# KiCad board BACKUP_PCB.kicad_pcb (continued)
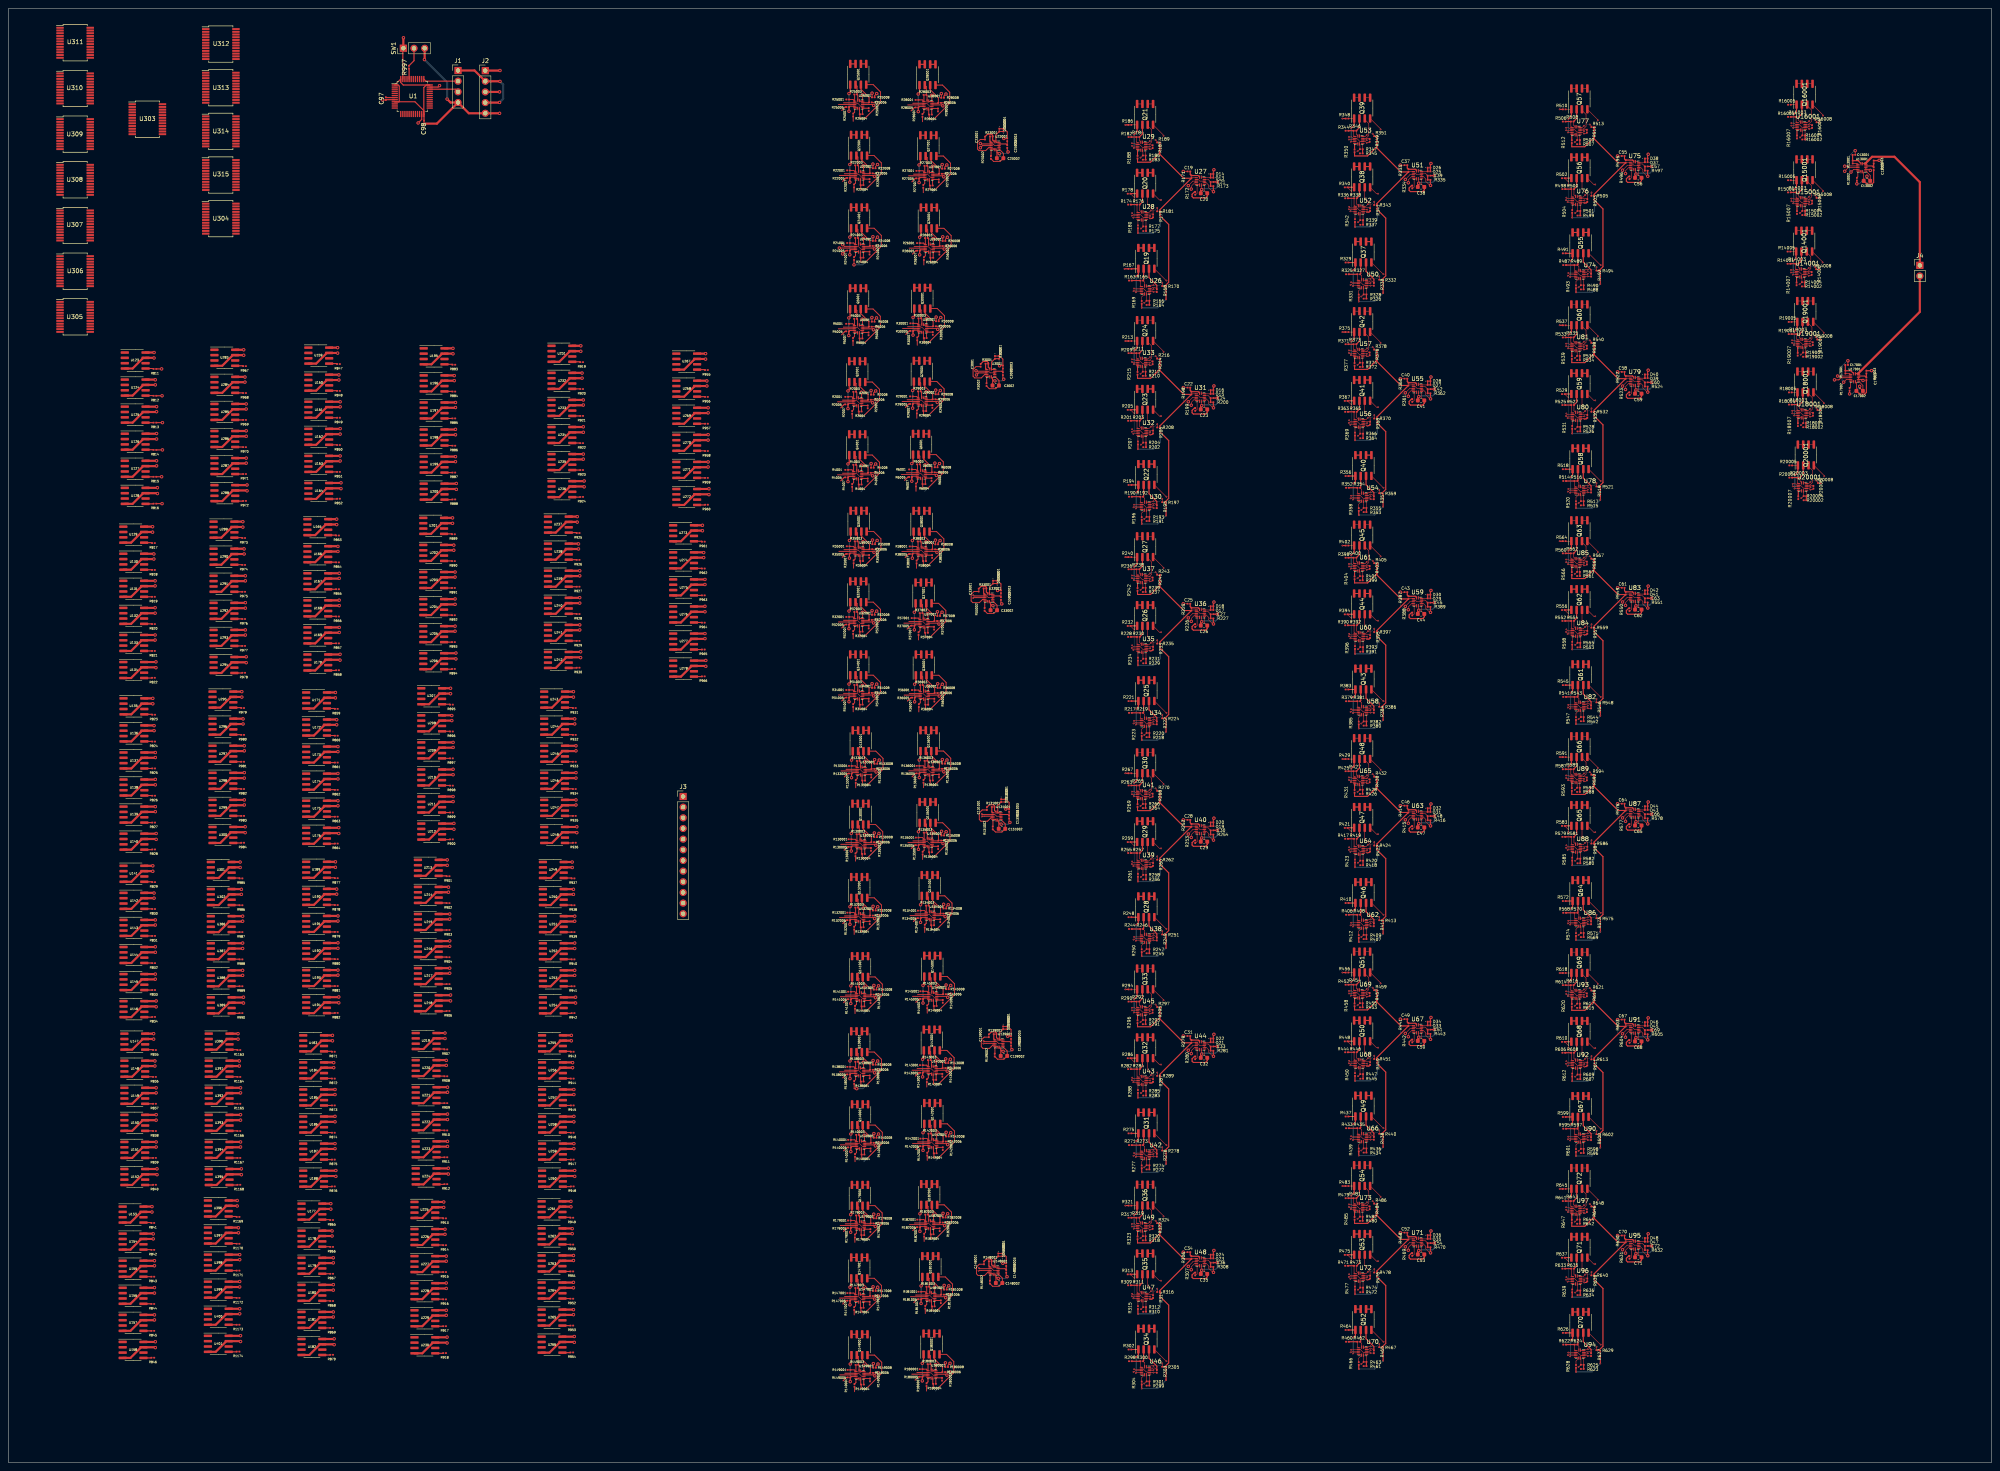
[diagram p0: board, top side]
## Routing (per net, layer and track width the routed paths; a pad name or vN(x,y) marks a point on that pad's centre or on a via; arc(x,y) is an arc through that point) (continued)
  Top w0.25: Q26001.6 Q26001.5
/W1210: length 1.3
  Top w0.25: Q29001.6 Q29001.5
/W1211: length 1.3
  Top w0.25: Q6001.8 Q6001.7
/W1212: length 1.3
  Top w0.25: Q6001.6 Q6001.5
/W1310: length 1.3
  Top w0.25: Q37001.6 Q37001.5
/W1311: length 1.3
  Top w0.25: Q36001.8 Q36001.7
/W1312: length 1.3
  Top w0.25: Q36001.6 Q36001.5
/W1410: length 1.3
  Top w0.25: Q135001.6 Q135001.5
/W1411: length 1.3
  Top w0.25: Q134001.8 Q134001.7
/W1412: length 1.3
  Top w0.25: Q134001.6 Q134001.5
/W1510: length 1.3
  Top w0.25: 220.6,103.18 221.87,103.18
/W1511: length 1.3
  Top w0.25: Q142001.8 Q142001.7
/W1512: length 1.3
  Top w0.25: Q142001.6 Q142001.5
/W1610: length 1.3
  Top w0.25: Q181001.6 Q181001.5
/W1611: length 1.3
  Top w0.25: Q180001.8 Q180001.7
/W1612: length 1.3
  Top w0.25: Q180001.6 Q180001.5
Net-(C19-Pad1): length 3.2
  Top w0.25: 283.72,306.36 283.4,306.67 R171.2 281.51,306.95 C19.1
Net-(C20-Pad2): length 8.9
  Top w0.1: U27.7 284.14,302.57
  Top w0.25: v2(287.96,305.15) C21.1 ; C20.2 284.02,303.12 v2(284.24,303.35)
  Bottom w0.25: v2(284.24,303.35) 284.44,303.55 287.56,303.55 287.96,303.95 v2(287.96,305.15)
Net-(C22-Pad1): length 3.2
  Top w0.25: 283.72,254.86 283.4,255.17 R198.2 281.51,255.45 C22.1
Net-(C23-Pad2): length 8.9
  Top w0.1: U31.7 284.14,251.07
  Top w0.25: C23.2 284.02,251.62 v2(284.24,251.85) ; v2(287.96,253.65) C24.1
  Bottom w0.25: v2(284.24,251.85) 284.44,252.05 287.56,252.05 287.96,252.45 v2(287.96,253.65)
Net-(C25-Pad1): length 3.2
  Top w0.25: C25.1 281.51,203.95 R225.2 283.4,203.67 283.72,203.36
Net-(C26-Pad2): length 8.9
  Top w0.1: U36.7 284.14,199.57
  Top w0.25: v2(284.24,200.35) 284.02,200.12 C26.2 ; v2(287.96,202.15) C27.1
  Bottom w0.25: v2(284.24,200.35) 284.44,200.55 287.56,200.55 287.96,200.95 v2(287.96,202.15)
Net-(C28-Pad1): length 3.2
  Top w0.25: C28.1 281.51,152.45 R252.2 283.4,152.17 283.72,151.86
Net-(C29-Pad2): length 8.9
  Top w0.1: U40.7 284.14,148.07
  Top w0.25: C29.2 284.02,148.62 v2(284.24,148.85) ; v2(287.96,150.65) C30.1
  Bottom w0.25: v2(287.96,150.65) 287.96,149.45 287.56,149.05 284.44,149.05 v2(284.24,148.85)
Net-(C31-Pad1): length 3.2
  Top w0.25: 283.72,100.36 283.4,100.67 R279.2 281.51,100.95 C31.1
Net-(C32-Pad2): length 8.9
  Top w0.1: U44.7 284.14,96.57
  Top w0.25: v2(284.24,97.35) 284.02,97.12 C32.2 ; v2(287.96,99.15) C33.1
  Bottom w0.25: v2(284.24,97.35) 284.44,97.55 287.56,97.55 287.96,97.95 v2(287.96,99.15)
Net-(C34-Pad1): length 3.2
  Top w0.25: C34.1 281.51,49.45 R306.2 283.4,49.17 283.72,48.86
Net-(C35-Pad2): length 8.9
  Top w0.1: U48.7 284.14,45.07
  Top w0.25: C35.2 284.02,45.62 v2(284.24,45.85) ; v2(287.96,47.65) C36.1
  Bottom w0.25: v2(284.24,45.85) 284.44,46.05 287.56,46.05 287.96,46.45 v2(287.96,47.65)
Net-(C37-Pad1): length 3.2
  Top w0.25: 335.42,307.86 335.1,308.17 R333.2 333.21,308.45 C37.1
Net-(C38-Pad2): length 8.9
  Top w0.1: U51.7 335.84,304.07
  Top w0.25: C38.2 335.72,304.62 v2(335.94,304.85) ; v2(339.66,306.65) C39.1
  Bottom w0.25: v2(335.94,304.85) 336.14,305.05 339.26,305.05 339.66,305.45 v2(339.66,306.65)
Net-(C40-Pad1): length 3.2
  Top w0.25: C40.1 333.21,257.58 R360.2 335.1,257.3 335.42,256.99
Net-(C41-Pad2): length 8.9
  Top w0.1: U55.7 335.84,253.2
  Top w0.25: v2(339.66,255.78) C42.1 ; C41.2 335.72,253.75 v2(335.94,253.98)
  Bottom w0.25: v2(335.94,253.98) 336.14,254.18 339.26,254.18 339.66,254.58 v2(339.66,255.78)
Net-(C43-Pad1): length 3.2
  Top w0.25: C43.1 333.21,206.71 R387.2 335.1,206.43 335.42,206.12
Net-(C44-Pad2): length 8.9
  Top w0.1: U59.7 335.84,202.33
  Top w0.25: v2(335.94,203.11) 335.72,202.88 C44.2 ; v2(339.66,204.91) C45.1
  Bottom w0.25: v2(339.66,204.91) 339.66,203.71 339.26,203.31 336.14,203.31 v2(335.94,203.11)
Net-(C46-Pad1): length 3.2
  Top w0.25: C46.1 333.21,155.84 R414.2 335.1,155.56 335.42,155.25
Net-(C47-Pad2): length 8.9
  Top w0.1: U63.7 335.84,151.46
  Top w0.25: v2(335.94,152.24) 335.72,152.01 C47.2 ; v2(339.66,154.04) C48.1
  Bottom w0.25: v2(339.66,154.04) 339.66,152.84 339.26,152.44 336.14,152.44 v2(335.94,152.24)
Net-(C49-Pad1): length 3.2
  Top w0.25: C49.1 333.21,104.97 R441.2 335.1,104.69 335.42,104.38
Net-(C50-Pad2): length 8.9
  Top w0.1: U67.7 335.84,100.59
  Top w0.25: C50.2 335.72,101.14 v2(335.94,101.37) ; v2(339.66,103.17) C51.1
  Bottom w0.25: v2(339.66,103.17) 339.66,101.97 339.26,101.57 336.14,101.57 v2(335.94,101.37)
Net-(C52-Pad1): length 3.2
  Top w0.25: C52.1 333.21,54.1 R468.2 335.1,53.82 335.42,53.51
Net-(C53-Pad2): length 8.9
  Top w0.1: U71.7 335.84,49.72
  Top w0.25: v2(335.94,50.5) 335.72,50.27 C53.2 ; v2(339.66,52.3) C54.1
  Bottom w0.25: v2(335.94,50.5) 336.14,50.7 339.26,50.7 339.66,51.1 v2(339.66,52.3)
Net-(C55-Pad1): length 3.2
  Top w0.25: 387.16,310.04 386.85,310.36 R495.2 384.96,310.64 C55.1
Net-(C56-Pad2): length 8.9
  Top w0.1: U75.7 387.59,306.26
  Top w0.25: v2(391.4,308.84) C57.1 ; C56.2 387.46,306.81 v2(387.69,307.04)
  Bottom w0.25: v2(387.69,307.04) 387.89,307.24 391,307.24 391.4,307.64 v2(391.4,308.84)
Net-(C58-Pad1): length 3.2
  Top w0.25: C58.1 384.96,259.19 R522.2 386.85,258.91 387.16,258.6
Net-(C59-Pad2): length 8.9
  Top w0.1: U79.7 387.59,254.82
  Top w0.25: v2(387.69,255.59) 387.46,255.37 C59.2 ; v2(391.4,257.39) C60.1
  Bottom w0.25: v2(391.4,257.39) 391.4,256.19 391,255.79 387.89,255.79 v2(387.69,255.59)
Net-(C61-Pad1): length 3.2
  Top w0.25: 387.16,207.16 386.85,207.47 R549.2 384.96,207.75 C61.1
Net-(C62-Pad2): length 8.9
  Top w0.1: U83.7 387.59,203.37
  Top w0.25: C62.2 387.46,203.92 v2(387.69,204.15) ; v2(391.4,205.95) C63.1
  Bottom w0.25: v2(391.4,205.95) 391.4,204.75 391,204.35 387.89,204.35 v2(387.69,204.15)
Net-(C64-Pad1): length 3.2
  Top w0.25: C64.1 384.96,156.31 R576.2 386.85,156.03 387.16,155.71
Net-(C65-Pad2): length 8.9
  Top w0.1: U87.7 387.59,151.93
  Top w0.25: C65.2 387.46,152.48 v2(387.69,152.71) ; v2(391.4,154.51) C66.1
  Bottom w0.25: v2(387.69,152.71) 387.89,152.91 391,152.91 391.4,153.31 v2(391.4,154.51)
Net-(C67-Pad1): length 3.2
  Top w0.25: C67.1 384.96,104.86 R603.2 386.85,104.58 387.16,104.27
Net-(C68-Pad2): length 8.9
  Top w0.1: U91.7 387.59,100.49
  Top w0.25: v2(391.4,103.06) C69.1 ; v2(387.69,101.26) 387.46,101.04 C68.2
  Bottom w0.25: v2(391.4,103.06) 391.4,101.86 391,101.46 387.89,101.46 v2(387.69,101.26)
Net-(C70-Pad1): length 3.2
  Top w0.25: C70.1 384.96,53.42 R630.2 386.85,53.14 387.16,52.82
Net-(C71-Pad2): length 8.9
  Top w0.1: U95.7 387.59,49.04
  Top w0.25: v2(387.69,49.82) 387.46,49.59 C71.2 ; v2(391.4,51.62) C72.1
  Bottom w0.25: v2(387.69,49.82) 387.89,50.02 391,50.02 391.4,50.42 v2(391.4,51.62)
Net-(C3001-Pad1): length 3.8
  Top w0.25: 233.76,260.66 233.41,261.01 R3001.2 233.41,262.13 233.16,262.38 232.19,262.38 C3001.1
Net-(C3002-Pad2): length 6.2
  Top w0.2: 234.44,258.1 234.44,258.45 U3001.7 ; 234.44,258.1 234.79,257.75 v2(234.99,257.75) ; 234.44,258.1 234.44,256.68 C3002.2 ; v2(237.09,258.15) 236.89,258.35 C3003.1
  Bottom w0.2: v2(237.09,258.15) 236.69,257.75 v2(234.99,257.75)
Net-(C13001-Pad1): length 3.6
  Top w0.25: C13001.1 439.29,310.24 R13001.2 440.61,310.22 441.27,309.56
Net-(C13002-Pad2): length 8.1
  Top w0.15: C13002.2 441.93,307.36 U13001.7
  Top w0.25: C13003.1 444.31,305.04 443.91,304.65 442.68,304.65 C13002.2
Net-(C17001-Pad1): length 3.6
  Top w0.25: 439.53,259.51 438.87,260.16 R17001.2 437.55,260.18 C17001.1
Net-(C17002-Pad2): length 8.1
  Top w0.15: U17001.7 440.2,257.31 C17002.2
  Top w0.25: C17002.2 440.95,254.59 442.18,254.59 442.57,254.99 C17003.1
Net-(C23001-Pad1): length 3.8
  Top w0.25: C23001.1 233.23,316.52 234.2,316.52 234.45,316.28 R23001.2 234.45,315.16 234.8,314.81
Net-(C23002-Pad2): length 6.2
  Top w0.2: 235.48,312.25 235.48,312.6 U23001.7 ; 235.48,312.25 235.83,311.9 v2(236.03,311.9) ; 235.48,312.25 235.48,310.82 C23002.2 ; C23003.1 237.93,312.5 v2(238.13,312.3)
  Bottom w0.2: v2(238.13,312.3) 237.73,311.9 v2(236.03,311.9)
Net-(C33001-Pad1): length 3.8
  Top w0.25: 233.3,207.11 232.95,207.46 R33001.2 232.95,208.58 232.7,208.82 231.73,208.82 C33001.1
Net-(C33002-Pad2): length 6.2
  Top w0.2: v2(234.53,204.2) 234.33,204.2 233.98,204.55 ; C33002.2 233.98,203.12 233.98,204.55 ; 233.98,204.55 233.98,204.9 U33001.7 ; v2(236.63,204.6) 236.43,204.8 C33003.1
  Bottom w0.2: v2(236.63,204.6) 236.23,204.2 v2(234.53,204.2)
Net-(C131001-Pad1): length 3.8
  Top w0.25: C131001.1 233.67,156.75 234.64,156.75 234.89,156.5 R131001.2 234.89,155.39 235.24,155.03
Net-(C131002-Pad2): length 6.2
  Top w0.2: v2(236.47,152.12) 236.27,152.12 235.92,152.47 ; 235.92,152.47 235.92,151.05 C131002.2 ; 235.92,152.47 235.92,152.82 U131001.7 ; C131003.1 238.37,152.72 v2(238.57,152.53)
  Bottom w0.2: v2(238.57,152.53) 238.17,152.12 v2(236.47,152.12)
Net-(C139001-Pad1): length 3.8
  Top w0.25: C139001.1 234.14,102.62 235.11,102.62 235.36,102.38 R139001.2 235.36,101.26 235.71,100.91
Net-(C139002-Pad2): length 6.2
  Top w0.2: 236.39,98.35 236.39,96.93 C139002.2 ; 236.39,98.35 236.74,98 v2(236.94,98) ; 236.39,98.35 236.39,98.7 U139001.7 ; C139003.1 238.84,98.6 v2(239.04,98.4)
  Bottom w0.2: v2(239.04,98.4) 238.64,98 v2(236.94,98)
Net-(C148001-Pad1): length 3.8
  Top w0.25: 234.56,46.8 234.2,47.15 R148001.2 234.2,48.27 233.96,48.52 232.99,48.52 C148001.1
Net-(C148002-Pad2): length 6.2
  Top w0.2: 235.23,44.24 235.23,44.59 U148001.7 ; 235.23,44.24 235.58,43.89 v2(235.78,43.89) ; 235.23,44.24 235.23,42.82 C148002.2 ; v2(237.88,44.29) 237.68,44.49 C148003.1
  Bottom w0.2: v2(237.88,44.29) 237.48,43.89 v2(235.78,43.89)
Net-(Q19A-G1): length 4.3
  Top w0.1: R165.2 270.66,281.27 U26.14
  Top w0.25: R165.2 270.42,281.79 Q19.2
Net-(Q19A-S1): length 8.9
  Top w0.1: U26.4 268.71,279 v1(268.56,278.85)
  Top w0.25: v1(268.66,282.65) 269.15,283.14 Q19.1 ; R167.2 269.13,284.45
  Bottom w0.25: v1(268.66,282.65) 268.66,278.95 v1(268.56,278.85)
Net-(Q19B-G2): length 17.4
  Top w0.1: U26.7 271.14,278.37 R166.2 270.64,276.35 v1(270.56,276.35) ; Q19.4 275.79,281.65 v1(275.86,281.65)
  In1.Cu w0.1: v1(270.56,276.35) 275.76,276.35 276.26,276.85 276.26,281.25 v1(275.86,281.65)
Net-(Q19B-S2): length 7.7
  Top w0.1: U26.11 272.33,279.8 272.58,280.05 273.08,280.05 R168.2
  Top w0.25: R168.2 273.56,280.49 271.69,282.36 Q19.3
Net-(Q20A-G1): length 4.8
  Top w0.1: U28.14 269.48,298.38 R176.2
  Top w0.25: Q20.2 270.12,300.39 R176.2
Net-(Q20A-S1): length 8.8
  Top w0.1: v1(268.16,300.55) 268.16,301.47 R178.2 ; v1(267.96,296.65) U28.4
  Top w0.25: Q20.1 267.3,302.37
  Bottom w0.1: v1(268.16,300.55) 268.16,296.85 v1(267.96,296.65)
Net-(Q20B-G2): length 16
  Top w0.1: U28.7 270.26,294.63 ; Q20.4 274.19,300.85 v1(274.56,300.85) ; v1(269.76,294.05) 269.84,294.05 R177.2
  In1.Cu w0.1: v1(269.76,294.05) 273.16,294.05 275.06,295.95 275.06,300.35 v1(274.56,300.85)
Net-(Q20B-S2): length 7
  Top w0.1: Q20.3 271.39,299.75 272.66,298.49 R179.2 ; 271.06,297.5 272.53,297.5
Net-(Q21A-G1): length 4.6
  Top w0.1: U29.14 269.38,314.98 R184.2
  Top w0.25: R184.2 270.12,316.59 Q21.2
Net-(Q21A-S1): length 8.2
  Top w0.1: R186.2 268.83,318.75 ; v1(268.06,313.25) U29.4
  Top w0.25: Q21.1 268.85,317.14 v1(268.16,316.45)
  Bottom w0.25: v1(268.06,313.25) 268.16,313.35 v1(268.16,316.45)
Net-(Q21B-G2): length 15.1
  Top w0.1: v1(275.16,316.15) 275.16,316.28 Q21.4 ; v1(269.66,310.95) 269.74,310.95 R185.2 270.24,312.62 U29.7
  In1.Cu w0.1: v1(275.16,316.15) 275.16,313.25 272.86,310.95 v1(269.66,310.95)
Net-(Q21B-S2): length 6.9
  Top w0.1: U29.11 271.66,314.05 ; 271.66,314.05 271.69,314.05 272.36,314.71 272.36,317.54 271.39,318.5 ; 271.66,314.05 272.18,314.05 272.36,313.87 R187.2
Net-(Q22A-G1): length 4.3
  Top w0.1: R192.2 270.66,229.77 U30.14
  Top w0.25: Q22.2 270.42,230.29 R192.2
Net-(Q22A-S1): length 8.9
  Top w0.1: v1(268.56,227.35) 268.71,227.5 U30.4
  Top w0.25: R194.2 269.13,232.95 ; v1(268.66,231.15) 269.15,231.64 Q22.1
  Bottom w0.25: v1(268.56,227.35) 268.66,227.45 v1(268.66,231.15)
Net-(Q22B-G2): length 17.4
  Top w0.1: U30.7 271.14,226.87 R193.2 270.64,224.85 v1(270.56,224.85) ; Q22.4 275.79,230.15 v1(275.86,230.15)
  In1.Cu w0.1: v1(270.56,224.85) 275.76,224.85 276.26,225.35 276.26,229.75 v1(275.86,230.15)
Net-(Q22B-S2): length 7.7
  Top w0.1: U30.11 272.33,228.3 272.58,228.55 273.08,228.55 R195.2
  Top w0.25: R195.2 273.56,228.99 271.69,230.86 Q22.3
Net-(Q23A-G1): length 4.8
  Top w0.1: R203.2 269.48,246.88 U32.14
  Top w0.25: R203.2 270.12,248.89 Q23.2
Net-(Q23A-S1): length 8.8
  Top w0.1: v1(267.96,245.15) U32.4 ; v1(268.16,249.05) 268.16,249.97 R205.2
  Top w0.25: Q23.1 267.3,250.87
  Bottom w0.1: v1(267.96,245.15) 268.16,245.35 v1(268.16,249.05)
Net-(Q23B-G2): length 16
  Top w0.1: U32.7 270.26,243.13 ; R204.2 269.84,242.55 v1(269.76,242.55) ; Q23.4 274.19,249.35 v1(274.56,249.35)
  In1.Cu w0.1: v1(269.76,242.55) 273.16,242.55 275.06,244.45 275.06,248.85 v1(274.56,249.35)
Net-(Q23B-S2): length 7
  Top w0.1: 271.06,246 272.53,246 ; R206.2 272.66,246.99 271.39,248.25 Q23.3
Net-(Q24A-G1): length 4.6
  Top w0.1: R211.2 269.38,263.48 U33.14
  Top w0.25: Q24.2 270.12,265.09 R211.2
Net-(Q24A-S1): length 8.2
  Top w0.1: R213.2 268.83,267.25 ; v1(268.06,261.75) U33.4
  Top w0.25: Q24.1 268.85,265.64 v1(268.16,264.95)
  Bottom w0.25: v1(268.16,264.95) 268.16,261.85 v1(268.06,261.75)
Net-(Q24B-G2): length 15.1
  Top w0.1: v1(269.66,259.45) 269.74,259.45 R212.2 270.24,261.12 U33.7 ; Q24.4 275.16,264.78 v1(275.16,264.65)
  In1.Cu w0.1: v1(269.66,259.45) 272.86,259.45 275.16,261.75 v1(275.16,264.65)
Net-(Q24B-S2): length 6.9
  Top w0.1: 271.66,262.55 271.69,262.55 272.36,263.21 272.36,266.04 271.39,267 ; 271.66,262.55 272.18,262.55 272.36,262.37 R214.2 ; 271.66,262.55 U33.11
Net-(Q25A-G1): length 4.3
  Top w0.1: R219.2 270.66,178.27 U34.14
  Top w0.25: R219.2 270.42,178.79 Q25.2
Net-(Q25A-S1): length 8.9
  Top w0.1: v1(268.56,175.85) 268.71,176 U34.4
  Top w0.25: Q25.1 269.15,180.14 v1(268.66,179.65) ; R221.2 269.13,181.45
  Bottom w0.25: v1(268.66,179.65) 268.66,175.95 v1(268.56,175.85)
Net-(Q25B-G2): length 17.4
  Top w0.1: v1(275.86,178.65) 275.79,178.65 Q25.4 ; v1(270.56,173.35) 270.64,173.35 R220.2 271.14,175.37 U34.7
  In1.Cu w0.1: v1(270.56,173.35) 275.76,173.35 276.26,173.85 276.26,178.25 v1(275.86,178.65)
Net-(Q25B-S2): length 7.7
  Top w0.1: U34.11 272.33,176.8 272.58,177.05 273.08,177.05 R222.2
  Top w0.25: Q25.3 271.69,179.36 273.56,177.49 R222.2
Net-(Q26A-G1): length 4.8
  Top w0.1: U35.14 269.48,195.38 R230.2
  Top w0.25: R230.2 270.12,197.39 Q26.2
Net-(Q26A-S1): length 8.8
  Top w0.1: v1(268.16,197.55) 268.16,198.47 R232.2 ; v1(267.96,193.65) U35.4
  Top w0.25: Q26.1 267.3,199.37
  Bottom w0.1: v1(267.96,193.65) 268.16,193.85 v1(268.16,197.55)
Net-(Q26B-G2): length 16
  Top w0.1: R231.2 269.84,191.05 v1(269.76,191.05) ; U35.7 270.26,191.63 ; Q26.4 274.19,197.85 v1(274.56,197.85)
  In1.Cu w0.1: v1(274.56,197.85) 275.06,197.35 275.06,192.95 273.16,191.05 v1(269.76,191.05)
Net-(Q26B-S2): length 7
  Top w0.1: R233.2 272.66,195.49 271.39,196.75 Q26.3 ; 271.06,194.5 272.53,194.5
Net-(Q27A-G1): length 4.6
  Top w0.1: U37.14 269.38,211.98 R238.2
  Top w0.25: Q27.2 270.12,213.59 R238.2
Net-(Q27A-S1): length 8.2
  Top w0.1: v1(268.06,210.25) U37.4 ; R240.2 268.83,215.75
  Top w0.25: v1(268.16,213.45) 268.85,214.14 Q27.1
  Bottom w0.25: v1(268.16,213.45) 268.16,210.35 v1(268.06,210.25)
Net-(Q27B-G2): length 15.1
  Top w0.1: v1(269.66,207.95) 269.74,207.95 R239.2 270.24,209.62 U37.7 ; v1(275.16,213.15) 275.16,213.28 Q27.4
  In1.Cu w0.1: v1(269.66,207.95) 272.86,207.95 275.16,210.25 v1(275.16,213.15)
Net-(Q27B-S2): length 6.9
  Top w0.1: 271.66,211.05 272.18,211.05 272.36,210.87 R241.2 ; 271.66,211.05 U37.11 ; 271.66,211.05 271.69,211.05 272.36,211.71 272.36,214.54 271.39,215.5
Net-(Q28A-G1): length 4.3
  Top w0.1: R246.2 270.66,126.77 U38.14
  Top w0.25: R246.2 270.42,127.29 Q28.2
Net-(Q28A-S1): length 8.9
  Top w0.1: U38.4 268.71,124.5 v1(268.56,124.35)
  Top w0.25: R248.2 269.13,129.95 ; v1(268.66,128.15) 269.15,128.64 Q28.1
  Bottom w0.25: v1(268.56,124.35) 268.66,124.45 v1(268.66,128.15)
Net-(Q28B-G2): length 17.4
  Top w0.1: v1(275.86,127.15) 275.79,127.15 Q28.4 ; U38.7 271.14,123.87 R247.2 270.64,121.85 v1(270.56,121.85)
  In1.Cu w0.1: v1(270.56,121.85) 275.76,121.85 276.26,122.35 276.26,126.75 v1(275.86,127.15)
Net-(Q28B-S2): length 7.7
  Top w0.1: U38.11 272.33,125.3 272.58,125.55 273.08,125.55 R249.2
  Top w0.25: Q28.3 271.69,127.86 273.56,125.99 R249.2
Net-(Q29A-G1): length 4.8
  Top w0.1: R257.2 269.48,143.88 U39.14
  Top w0.25: R257.2 270.12,145.89 Q29.2
Net-(Q29A-S1): length 8.8
  Top w0.1: v1(268.16,146.05) 268.16,146.97 R259.2 ; v1(267.96,142.15) U39.4
  Top w0.25: Q29.1 267.3,147.87
  Bottom w0.1: v1(268.16,146.05) 268.16,142.35 v1(267.96,142.15)
Net-(Q29B-G2): length 16
  Top w0.1: v1(274.56,146.35) 274.19,146.35 Q29.4 ; U39.7 270.26,140.13 ; R258.2 269.84,139.55 v1(269.76,139.55)
  In1.Cu w0.1: v1(269.76,139.55) 273.16,139.55 275.06,141.45 275.06,145.85 v1(274.56,146.35)
Net-(Q29B-S2): length 7
  Top w0.1: Q29.3 271.39,145.25 272.66,143.99 R260.2 ; 271.06,143 272.53,143
Net-(Q30A-G1): length 4.6
  Top w0.1: R265.2 269.38,160.48 U41.14
  Top w0.25: R265.2 270.12,162.09 Q30.2
Net-(Q30A-S1): length 8.2
  Top w0.1: v1(268.06,158.75) U41.4 ; R267.2 268.83,164.25
  Top w0.25: Q30.1 268.85,162.64 v1(268.16,161.95)
  Bottom w0.25: v1(268.16,161.95) 268.16,158.85 v1(268.06,158.75)
Net-(Q30B-G2): length 15.1
  Top w0.1: U41.7 270.24,158.12 R266.2 269.74,156.45 v1(269.66,156.45) ; Q30.4 275.16,161.78 v1(275.16,161.65)
  In1.Cu w0.1: v1(275.16,161.65) 275.16,158.75 272.86,156.45 v1(269.66,156.45)
Net-(Q30B-S2): length 6.9
  Top w0.1: U41.11 271.66,159.55 ; 271.66,159.55 271.69,159.55 272.36,160.21 272.36,163.04 271.39,164 ; 271.66,159.55 272.18,159.55 272.36,159.37 R268.2
Net-(Q31A-G1): length 4.3
  Top w0.1: R273.2 270.66,75.27 U42.14
  Top w0.25: R273.2 270.42,75.79 Q31.2
Net-(Q31A-S1): length 8.9
  Top w0.1: v1(268.56,72.85) 268.71,73 U42.4
  Top w0.25: R275.2 269.13,78.45 ; Q31.1 269.15,77.14 v1(268.66,76.65)
  Bottom w0.25: v1(268.66,76.65) 268.66,72.95 v1(268.56,72.85)
Net-(Q31B-G2): length 17.4
  Top w0.1: v1(275.86,75.65) 275.79,75.65 Q31.4 ; U42.7 271.14,72.37 R274.2 270.64,70.35 v1(270.56,70.35)
  In1.Cu w0.1: v1(275.86,75.65) 276.26,75.25 276.26,70.85 275.76,70.35 v1(270.56,70.35)
Net-(Q31B-S2): length 7.7
  Top w0.1: R276.2 273.08,74.05 272.58,74.05 272.33,73.8 U42.11
  Top w0.25: R276.2 273.56,74.49 271.69,76.36 Q31.3
Net-(Q32A-G1): length 4.8
  Top w0.1: R284.2 269.48,92.38 U43.14
  Top w0.25: R284.2 270.12,94.39 Q32.2
Net-(Q32A-S1): length 8.8
  Top w0.1: v1(268.16,94.55) 268.16,95.47 R286.2 ; v1(267.96,90.65) U43.4
  Top w0.25: Q32.1 267.3,96.37
  Bottom w0.1: v1(268.16,94.55) 268.16,90.85 v1(267.96,90.65)
Net-(Q32B-G2): length 16
  Top w0.1: U43.7 270.26,88.63 ; v1(269.76,88.05) 269.84,88.05 R285.2 ; v1(274.56,94.85) 274.19,94.85 Q32.4
  In1.Cu w0.1: v1(274.56,94.85) 275.06,94.35 275.06,89.95 273.16,88.05 v1(269.76,88.05)
Net-(Q32B-S2): length 7
  Top w0.1: R287.2 272.66,92.49 271.39,93.75 Q32.3 ; 271.06,91.5 272.53,91.5
Net-(Q33A-G1): length 4.6
  Top w0.1: U45.14 269.38,108.98 R292.2
  Top w0.25: R292.2 270.12,110.59 Q33.2
Net-(Q33A-S1): length 8.2
  Top w0.1: v1(268.06,107.25) U45.4 ; R294.2 268.83,112.75
  Top w0.25: v1(268.16,110.45) 268.85,111.14 Q33.1
  Bottom w0.25: v1(268.16,110.45) 268.16,107.35 v1(268.06,107.25)
Net-(Q33B-G2): length 15.1
  Top w0.1: v1(269.66,104.95) 269.74,104.95 R293.2 270.24,106.62 U45.7 ; Q33.4 275.16,110.28 v1(275.16,110.15)
  In1.Cu w0.1: v1(275.16,110.15) 275.16,107.25 272.86,104.95 v1(269.66,104.95)
Net-(Q33B-S2): length 6.9
  Top w0.1: U45.11 271.66,108.05 ; 271.66,108.05 272.18,108.05 272.36,107.87 R295.2 ; 271.66,108.05 271.69,108.05 272.36,108.71 272.36,111.54 271.39,112.5
Net-(Q34A-G1): length 4.3
  Top w0.1: U46.14 270.66,23.77 R300.2
  Top w0.25: R300.2 270.42,24.29 Q34.2
Net-(Q34A-S1): length 8.9
  Top w0.1: U46.4 268.71,21.5 v1(268.56,21.35)
  Top w0.25: R302.2 269.13,26.95 ; v1(268.66,25.15) 269.15,25.64 Q34.1
  Bottom w0.25: v1(268.66,25.15) 268.66,21.45 v1(268.56,21.35)
Net-(Q34B-G2): length 17.4
  Top w0.1: Q34.4 275.79,24.15 v1(275.86,24.15) ; v1(270.56,18.85) 270.64,18.85 R301.2 271.14,20.87 U46.7
  In1.Cu w0.1: v1(270.56,18.85) 275.76,18.85 276.26,19.35 276.26,23.75 v1(275.86,24.15)
Net-(Q34B-S2): length 7.7
  Top w0.1: U46.11 272.33,22.3 272.58,22.55 273.08,22.55 R303.2
  Top w0.25: R303.2 273.56,22.99 271.69,24.86 Q34.3
Net-(Q35A-G1): length 4.8
  Top w0.1: R311.2 269.48,40.88 U47.14
  Top w0.25: Q35.2 270.12,42.89 R311.2
Net-(Q35A-S1): length 8.8
  Top w0.1: v1(267.96,39.15) U47.4 ; R313.2 268.16,43.97 v1(268.16,43.05)
  Top w0.25: Q35.1 267.3,44.87
  Bottom w0.1: v1(268.16,43.05) 268.16,39.35 v1(267.96,39.15)
Net-(Q35B-G2): length 16
  Top w0.1: Q35.4 274.19,43.35 v1(274.56,43.35) ; U47.7 270.26,37.13 ; v1(269.76,36.55) 269.84,36.55 R312.2
  In1.Cu w0.1: v1(269.76,36.55) 273.16,36.55 275.06,38.45 275.06,42.85 v1(274.56,43.35)
Net-(Q35B-S2): length 7
  Top w0.1: 271.06,40 272.53,40 ; Q35.3 271.39,42.25 272.66,40.99 R314.2
Net-(Q36A-G1): length 4.6
  Top w0.1: R319.2 269.38,57.48 U49.14
  Top w0.25: R319.2 270.12,59.09 Q36.2
Net-(Q36A-S1): length 8.2
  Top w0.1: R321.2 268.83,61.25 ; v1(268.06,55.75) U49.4
  Top w0.25: v1(268.16,58.95) 268.85,59.64 Q36.1
  Bottom w0.25: v1(268.06,55.75) 268.16,55.85 v1(268.16,58.95)
Net-(Q36B-G2): length 15.1
  Top w0.1: U49.7 270.24,55.12 R320.2 269.74,53.45 v1(269.66,53.45) ; Q36.4 275.16,58.78 v1(275.16,58.65)
  In1.Cu w0.1: v1(269.66,53.45) 272.86,53.45 275.16,55.75 v1(275.16,58.65)
Net-(Q36B-S2): length 6.9
  Top w0.1: U49.11 271.66,56.55 ; 271.66,56.55 272.18,56.55 272.36,56.37 R322.2 ; 271.66,56.55 271.69,56.55 272.36,57.21 272.36,60.04 271.39,61
Net-(Q37A-G1): length 4.3
  Top w0.1: R327.2 322.36,282.77 U50.14
  Top w0.25: Q37.2 322.12,283.29 R327.2
Net-(Q37A-S1): length 8.9
  Top w0.1: U50.4 320.41,280.5 v1(320.26,280.35)
  Top w0.25: R329.2 320.83,285.95 ; v1(320.36,284.15) 320.85,284.64 Q37.1
  Bottom w0.25: v1(320.36,284.15) 320.36,280.45 v1(320.26,280.35)
Net-(Q37B-G2): length 17.4
  Top w0.1: Q37.4 327.49,283.15 v1(327.56,283.15) ; U50.7 322.84,279.87 R328.2 322.34,277.85 v1(322.26,277.85)
  In1.Cu w0.1: v1(322.26,277.85) 327.46,277.85 327.96,278.35 327.96,282.75 v1(327.56,283.15)
Net-(Q37B-S2): length 7.7
  Top w0.1: R330.2 324.78,281.55 324.28,281.55 324.03,281.3 U50.11
  Top w0.25: R330.2 325.26,281.99 323.39,283.86 Q37.3
Net-(Q38A-G1): length 4.8
  Top w0.1: U52.14 321.18,299.88 R338.2
  Top w0.25: R338.2 321.82,301.89 Q38.2
Net-(Q38A-S1): length 8.8
  Top w0.1: v1(319.66,298.15) U52.4 ; R340.2 319.86,302.97 v1(319.86,302.05)
  Top w0.25: Q38.1 319,303.87
  Bottom w0.1: v1(319.66,298.15) 319.86,298.35 v1(319.86,302.05)
Net-(Q38B-G2): length 16
  Top w0.1: v1(321.46,295.55) 321.54,295.55 R339.2 ; U52.7 321.96,296.13 ; Q38.4 325.89,302.35 v1(326.26,302.35)
  In1.Cu w0.1: v1(321.46,295.55) 324.86,295.55 326.76,297.45 326.76,301.85 v1(326.26,302.35)
Net-(Q38B-S2): length 7
  Top w0.1: R341.2 324.36,299.99 323.09,301.25 Q38.3 ; 322.76,299 324.23,299
Net-(Q39A-G1): length 4.6
  Top w0.1: U53.14 321.08,316.48 R346.2
  Top w0.25: Q39.2 321.82,318.09 R346.2
Net-(Q39A-S1): length 8.2
  Top w0.1: v1(319.76,314.75) U53.4 ; R348.2 320.53,320.25
  Top w0.25: Q39.1 320.55,318.64 v1(319.86,317.95)
  Bottom w0.25: v1(319.86,317.95) 319.86,314.85 v1(319.76,314.75)
Net-(Q39B-G2): length 15.1
  Top w0.1: Q39.4 326.86,317.78 v1(326.86,317.65) ; v1(321.36,312.45) 321.44,312.45 R347.2 321.94,314.12 U53.7
  In1.Cu w0.1: v1(321.36,312.45) 324.56,312.45 326.86,314.75 v1(326.86,317.65)
Net-(Q39B-S2): length 6.9
  Top w0.1: R349.2 324.06,315.37 323.88,315.55 323.36,315.55 ; 323.09,320 324.06,319.04 324.06,316.21 323.39,315.55 323.36,315.55 ; U53.11 323.36,315.55
Net-(Q40A-G1): length 4.3
  Top w0.1: R354.2 322.36,231.9 U54.14
  Top w0.25: R354.2 322.12,232.42 Q40.2
Net-(Q40A-S1): length 8.9
  Top w0.1: v1(320.26,229.48) 320.41,229.63 U54.4
  Top w0.25: R356.2 320.83,235.08 ; v1(320.36,233.28) 320.85,233.77 Q40.1
  Bottom w0.25: v1(320.36,233.28) 320.36,229.58 v1(320.26,229.48)
Net-(Q40B-G2): length 17.4
  Top w0.1: v1(327.56,232.28) 327.49,232.28 Q40.4 ; U54.7 322.84,229 R355.2 322.34,226.98 v1(322.26,226.98)
  In1.Cu w0.1: v1(327.56,232.28) 327.96,231.88 327.96,227.48 327.46,226.98 v1(322.26,226.98)
Net-(Q40B-S2): length 7.7
  Top w0.1: U54.11 324.03,230.43 324.28,230.68 324.78,230.68 R357.2
  Top w0.25: R357.2 325.26,231.12 323.39,232.99 Q40.3
Net-(Q41A-G1): length 4.8
  Top w0.1: R365.2 321.18,249.01 U56.14
  Top w0.25: Q41.2 321.82,251.02 R365.2
Net-(Q41A-S1): length 8.8
  Top w0.1: v1(319.66,247.28) U56.4 ; v1(319.86,251.18) 319.86,252.1 R367.2
  Top w0.25: Q41.1 319,253
  Bottom w0.1: v1(319.86,251.18) 319.86,247.48 v1(319.66,247.28)
Net-(Q41B-G2): length 16
  Top w0.1: v1(326.26,251.48) 325.89,251.48 Q41.4 ; U56.7 321.96,245.26 ; R366.2 321.54,244.68 v1(321.46,244.68)
  In1.Cu w0.1: v1(326.26,251.48) 326.76,250.98 326.76,246.58 324.86,244.68 v1(321.46,244.68)
Net-(Q41B-S2): length 7
  Top w0.1: 322.76,248.13 324.23,248.13 ; Q41.3 323.09,250.38 324.36,249.12 R368.2
Net-(Q42A-G1): length 4.6
  Top w0.1: R373.2 321.08,265.61 U57.14
  Top w0.25: R373.2 321.82,267.22 Q42.2
